# KiCad board TKLTheSecond.kicad_pcb (continued)
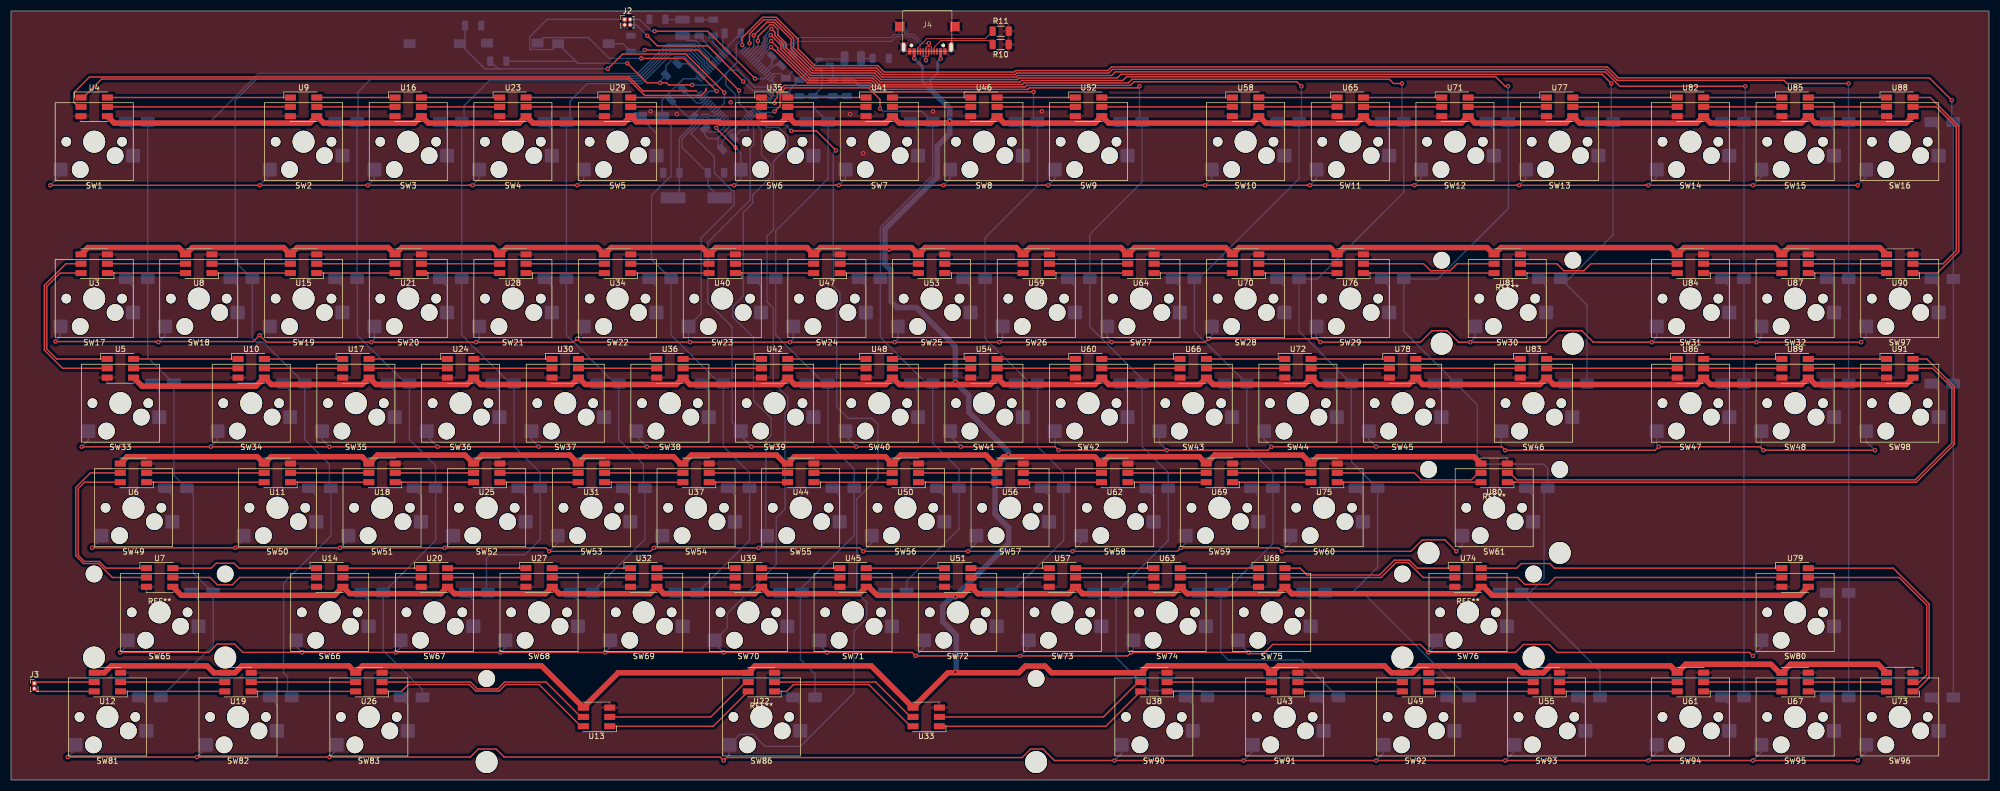
[diagram p0: board, top side]
## Nets
+3V3: C4.1 C5.1 C6.1 C9.1 C11.1 C13.1 C14.1 D62.2 J2.1 R7.1 SW62.1 U1.1 U1.19 U1.32 U1.48 U1.64 U2.2
+5V: C8.1 C10.1 J4.A4B9 J4.A9B9 U2.3 U3.4 U4.4 U5.4 U6.4 U7.4 U8.4 U9.4 U10.4 U11.4 U12.4 U13.4 U14.4 U15.4 U16.4 U17.4 U18.4 U19.4 U20.4 U21.4 U22.4 U23.4 U24.4 U25.4 U26.4 U27.4 U28.4 U29.4 U30.4 U31.4 U32.4 U33.4 U34.4 U35.4 U36.4 U37.4 U38.4 U39.4 U40.4 U41.4 U42.4 U43.4 U44.4 U45.4 U46.4 U47.4 U48.4 U49.4 U50.4 U51.4 U52.4 U53.4 U54.4 U55.4 U56.4 U57.4 U58.4 U59.4 U60.4 U61.4 U62.4 U63.4 U64.4 U65.4 U66.4 U67.4 U68.4 U69.4 U70.4 U71.4 U72.4 U73.4 U74.4 U75.4 U76.4 U77.4 U78.4 U79.4 U80.4 U81.4 U82.4 U83.4 U84.4 U85.4 U86.4 U87.4 U88.4 U89.4 U90.4 U91.4
GND: C1.1 C2.1 C3.1 C4.2 C5.2 C6.2 C7.2 C8.2 C9.2 C10.2 C11.2 C12.2 C13.2 C14.2 J2.3 J4.A1B12 J4.A12B12 J4.Shield J4.Shield0 J4.Shield1 R5.2 R6.1 R8.1 R9.1 R10.1 R11.2 SW63.2 SW64.2 U1.12 U1.18 U1.31 U1.47 U1.63 U2.1 U3.3 U4.3 U5.3 U6.3 U7.3 U8.3 U9.3 U10.3 U11.3 U12.3 U13.3 U14.3 U15.3 U16.3 U17.3 U18.3 U19.3 U20.3 U21.3 U22.3 U23.3 U24.3 U25.3 U26.3 U27.3 U28.3 U29.3 U30.3 U31.3 U32.3 U33.3 U34.3 U35.3 U36.3 U37.3 U38.3 U39.3 U40.3 U41.3 U42.3 U43.3 U44.3 U45.3 U46.3 U47.3 U48.3 U49.3 U50.3 U51.3 U52.3 U53.3 U54.3 U55.3 U56.3 U57.3 U58.3 U59.3 U60.3 U61.3 U62.3 U63.3 U64.3 U65.3 U66.3 U67.3 U68.3 U69.3 U70.3 U71.3 U72.3 U73.3 U74.3 U75.3 U76.3 U77.3 U78.3 U79.3 U80.3 U81.3 U82.3 U83.3 U84.3 U85.3 U86.3 U87.3 U88.3 U89.3 U90.3 U91.3
/MCU_BOOT1: R5.1 U1.28
/MCU_DM: R4.1 U1.44
/MCU_DP: R3.1 U1.45
/MCU_VCAP1: C3.2 U1.30
BOOT0: R6.2 SW62.2 U1.60
CIN: U1.16 U4.2
COL1: D1.1 D17.1 D33.1 D49.1 D65.1 D81.1 U1.24
COL2: D18.1 D34.1 D50.1 D82.1 U1.23
COL3: D2.1 D19.1 D35.1 D51.1 D66.1 D83.1 U1.22
COL4: D3.1 D20.1 D36.1 D52.1 D67.1 U1.21
COL5: D4.1 D21.1 D37.1 D53.1 D68.1 U1.20
COL6: D5.1 D22.1 D38.1 D54.1 D69.1 U1.17
COL7: D6.1 D23.1 D39.1 D55.1 D70.1 D86.1 U1.54
COL8: D7.1 D24.1 D40.1 D56.1 D71.1 U1.57
COL9: D8.1 D25.1 D41.1 D57.1 D72.1 U1.52
COL10: D9.1 D26.1 D42.1 D58.1 D73.1 D90.1 U1.40
COL11: D10.1 D27.1 D43.1 D59.1 D74.1 D91.1 U1.39
COL12: D11.1 D28.1 D44.1 D60.1 D75.1 D92.1 U1.38
COL13: D12.1 D29.1 D45.1 D61.1 D76.1 D93.1 U1.37
COL14: D13.1 D30.1 D46.1 U1.36
COL15: D14.1 D31.1 D47.1 D94.1 U1.35
COL16: D15.1 D32.1 D48.1 D80.1 D95.1 U1.34
COL17: D16.1 D96.1 D97.1 D98.1 U1.33
COUT: J3.1 U12.5
D+: J4.A6 J4.B6 R3.2
D-: J4.A7 J4.B7 R4.2
DIN: U1.15 U4.1
DOUT: J3.2 U12.6
NRST: C12.1 R7.2 SW63.1 U1.7
ROW1: SW1.1 SW2.1 SW3.1 SW4.1 SW5.1 SW6.1 SW7.1 SW8.1 SW9.1 SW10.1 SW11.1 SW12.1 SW13.1 SW14.1 SW15.1 SW16.1 U1.3
ROW2: SW17.1 SW18.1 SW19.1 SW20.1 SW21.1 SW22.1 SW23.1 SW24.1 SW25.1 SW26.1 SW27.1 SW28.1 SW29.1 SW30.1 SW31.1 SW32.1 SW97.1 U1.4
ROW3: SW33.1 SW34.1 SW35.1 SW36.1 SW37.1 SW38.1 SW39.1 SW40.1 SW41.1 SW42.1 SW43.1 SW44.1 SW45.1 SW46.1 SW47.1 SW48.1 SW98.1 U1.62
ROW4: SW49.1 SW50.1 SW51.1 SW52.1 SW53.1 SW54.1 SW55.1 SW56.1 SW57.1 SW58.1 SW59.1 SW60.1 SW61.1 U1.61
ROW5: SW65.1 SW66.1 SW67.1 SW68.1 SW69.1 SW70.1 SW71.1 SW72.1 SW73.1 SW74.1 SW75.1 SW76.1 SW80.1 U1.59
ROW6: SW81.1 SW82.1 SW83.1 SW86.1 SW90.1 SW91.1 SW92.1 SW93.1 SW94.1 SW95.1 SW96.1 U1.58
SWCLK: J2.4 U1.49
SWDIO: J2.2 U1.46
Net-(D1-A): D1.2 SW1.2
Net-(D2-A): D2.2 SW2.2
Net-(D3-A): D3.2 SW3.2
Net-(D4-A): D4.2 SW4.2
Net-(D5-A): D5.2 SW5.2
Net-(D6-A): D6.2 SW6.2
Net-(D7-A): D7.2 SW7.2
Net-(D8-A): D8.2 SW8.2
Net-(D9-A): D9.2 SW9.2
Net-(D10-A): D10.2 SW10.2
Net-(D11-A): D11.2 SW11.2
Net-(D12-A): D12.2 SW12.2
Net-(D13-A): D13.2 SW13.2
Net-(D14-A): D14.2 SW14.2
Net-(D15-A): D15.2 SW15.2
Net-(D16-A): D16.2 SW16.2
Net-(D17-A): D17.2 SW17.2
Net-(D18-A): D18.2 SW18.2
Net-(D19-A): D19.2 SW19.2
Net-(D20-A): D20.2 SW20.2
Net-(D21-A): D21.2 SW21.2
Net-(D22-A): D22.2 SW22.2
Net-(D23-A): D23.2 SW23.2
Net-(D24-A): D24.2 SW24.2
Net-(D25-A): D25.2 SW25.2
Net-(D26-A): D26.2 SW26.2
Net-(D27-A): D27.2 SW27.2
Net-(D28-A): D28.2 SW28.2
Net-(D29-A): D29.2 SW29.2
Net-(D30-A): D30.2 SW30.2
Net-(D31-A): D31.2 SW31.2
Net-(D32-A): D32.2 SW32.2
Net-(D33-A): D33.2 SW33.2
Net-(D34-A): D34.2 SW34.2
Net-(D35-A): D35.2 SW35.2
Net-(D36-A): D36.2 SW36.2
Net-(D37-A): D37.2 SW37.2
Net-(D38-A): D38.2 SW38.2
Net-(D39-A): D39.2 SW39.2
Net-(D40-A): D40.2 SW40.2
Net-(D41-A): D41.2 SW41.2
Net-(D42-A): D42.2 SW42.2
Net-(D43-A): D43.2 SW43.2
Net-(D44-A): D44.2 SW44.2
Net-(D45-A): D45.2 SW45.2
Net-(D46-A): D46.2 SW46.2
Net-(D47-A): D47.2 SW47.2
Net-(D48-A): D48.2 SW48.2
Net-(D49-A): D49.2 SW49.2
Net-(D50-A): D50.2 SW50.2
Net-(D51-A): D51.2 SW51.2
Net-(D52-A): D52.2 SW52.2
Net-(D53-A): D53.2 SW53.2
Net-(D54-A): D54.2 SW54.2
Net-(D55-A): D55.2 SW55.2
Net-(D56-A): D56.2 SW56.2
Net-(D57-A): D57.2 SW57.2
Net-(D58-A): D58.2 SW58.2
Net-(D59-A): D59.2 SW59.2
Net-(D60-A): D60.2 SW60.2
Net-(D61-A): D61.2 SW61.2
Net-(D62-K): D62.1 R8.2
Net-(D63-A): D63.2 U1.26
Net-(D63-K): D63.1 R9.2
Net-(D65-A): D65.2 SW65.2
Net-(D66-A): D66.2 SW66.2
Net-(D67-A): D67.2 SW67.2
Net-(D68-A): D68.2 SW68.2
Net-(D69-A): D69.2 SW69.2
Net-(D70-A): D70.2 SW70.2
Net-(D71-A): D71.2 SW71.2
Net-(D72-A): D72.2 SW72.2
Net-(D73-A): D73.2 SW73.2
Net-(D74-A): D74.2 SW74.2
Net-(D75-A): D75.2 SW75.2
Net-(D76-A): D76.2 SW76.2
Net-(D80-A): D80.2 SW80.2
Net-(D81-A): D81.2 SW81.2
Net-(D82-A): D82.2 SW82.2
Net-(D83-A): D83.2 SW83.2
Net-(D86-A): D86.2 SW86.2
Net-(D90-A): D90.2 SW90.2
Net-(D91-A): D91.2 SW91.2
Net-(D92-A): D92.2 SW92.2
Net-(D93-A): D93.2 SW93.2
Net-(D94-A): D94.2 SW94.2
Net-(D95-A): D95.2 SW95.2
Net-(D96-A): D96.2 SW96.2
Net-(D97-A): D97.2 SW97.2
Net-(D98-A): D98.2 SW98.2
Net-(J4-CC1): J4.A5 R10.2
Net-(J4-CC2): J4.B5 R11.1
Net-(U1-PA0): SW64.1 U1.14
Net-(U1-PH0): C1.2 U1.5 Y1.2
Net-(U1-PH1): C2.2 U1.6 Y1.1
Net-(U1-VREF+): C7.1 U1.13
Net-(U3-CI): U3.2 U8.5
Net-(U3-CO): U3.5 U5.2
Net-(U3-DI): U3.1 U8.6
Net-(U3-DO): U3.6 U5.1
Net-(U4-CO): U4.5 U9.2
Net-(U4-DO): U4.6 U9.1
Net-(U6-CO): U6.5 U7.2
Net-(U6-DO): U6.6 U7.1
Net-(U10-CI): U5.5 U10.2
Net-(U10-CO): U10.5 U17.2
Net-(U10-DI): U5.6 U10.1
Net-(U10-DO): U10.6 U17.1
Net-(U11-CI): U11.2 U18.5
Net-(U11-CO): U6.2 U11.5
Net-(U11-DI): U11.1 U18.6
Net-(U11-DO): U6.1 U11.6
Net-(U12-CI): U12.2 U19.5
Net-(U12-DI): U12.1 U19.6
Net-(U13-CI): U13.2 U22.5
Net-(U13-CO): U13.5 U26.2
Net-(U13-DI): U13.1 U22.6
Net-(U13-DO): U13.6 U26.1
Net-(U14-CI): U7.5 U14.2
Net-(U14-CO): U14.5 U20.2
Net-(U14-DI): U7.6 U14.1
Net-(U14-DO): U14.6 U20.1
Net-(U15-CI): U15.2 U21.5
Net-(U15-CO): U8.2 U15.5
Net-(U15-DI): U15.1 U21.6
Net-(U15-DO): U8.1 U15.6
Net-(U16-CI): U9.5 U16.2
Net-(U16-CO): U16.5 U23.2
Net-(U16-DI): U9.6 U16.1
Net-(U16-DO): U16.6 U23.1
Net-(U17-CO): U17.5 U24.2
Net-(U17-DO): U17.6 U24.1
Net-(U18-CI): U18.2 U25.5
Net-(U18-DI): U18.1 U25.6
Net-(U19-CI): U19.2 U26.5
Net-(U19-DI): U19.1 U26.6
Net-(U20-CO): U20.5 U27.2
Net-(U20-DO): U20.6 U27.1
Net-(U21-CI): U21.2 U28.5
Net-(U21-DI): U21.1 U28.6
Net-(U22-CI): U22.2 U33.5
Net-(U22-DI): U22.1 U33.6
Net-(U23-CO): U23.5 U29.2
Net-(U23-DO): U23.6 U29.1
Net-(U24-CO): U24.5 U30.2
Net-(U24-DO): U24.6 U30.1
Net-(U25-CI): U25.2 U31.5
Net-(U25-DI): U25.1 U31.6
Net-(U27-CO): U27.5 U32.2
Net-(U27-DO): U27.6 U32.1
Net-(U28-CI): U28.2 U34.5
Net-(U28-DI): U28.1 U34.6
Net-(U29-CO): U29.5 U35.2
Net-(U29-DO): U29.6 U35.1
Net-(U30-CO): U30.5 U36.2
Net-(U30-DO): U30.6 U36.1
Net-(U31-CI): U31.2 U37.5
Net-(U31-DI): U31.1 U37.6
Net-(U32-CO): U32.5 U39.2
Net-(U32-DO): U32.6 U39.1
Net-(U33-CI): U33.2 U38.5
Net-(U33-DI): U33.1 U38.6
Net-(U34-CI): U34.2 U40.5
Net-(U34-DI): U34.1 U40.6
Net-(U35-CO): U35.5 U41.2
Net-(U35-DO): U35.6 U41.1
Net-(U36-CO): U36.5 U42.2
Net-(U36-DO): U36.6 U42.1
Net-(U37-CI): U37.2 U44.5
Net-(U37-DI): U37.1 U44.6
Net-(U38-CI): U38.2 U43.5
Net-(U38-DI): U38.1 U43.6
Net-(U39-CO): U39.5 U45.2
Net-(U39-DO): U39.6 U45.1
Net-(U40-CI): U40.2 U47.5
Net-(U40-DI): U40.1 U47.6
Net-(U41-CO): U41.5 U46.2
Net-(U41-DO): U41.6 U46.1
Net-(U42-CO): U42.5 U48.2
Net-(U42-DO): U42.6 U48.1
Net-(U43-CI): U43.2 U49.5
Net-(U43-DI): U43.1 U49.6
Net-(U44-CI): U44.2 U50.5
Net-(U44-DI): U44.1 U50.6
Net-(U45-CO): U45.5 U51.2
Net-(U45-DO): U45.6 U51.1
Net-(U46-CO): U46.5 U52.2
Net-(U46-DO): U46.6 U52.1
Net-(U47-CI): U47.2 U53.5
Net-(U47-DI): U47.1 U53.6
Net-(U48-CO): U48.5 U54.2
Net-(U48-DO): U48.6 U54.1
Net-(U49-CI): U49.2 U55.5
Net-(U49-DI): U49.1 U55.6
Net-(U50-CI): U50.2 U56.5
Net-(U50-DI): U50.1 U56.6
Net-(U51-CO): U51.5 U57.2
Net-(U51-DO): U51.6 U57.1
Net-(U52-CO): U52.5 U58.2
Net-(U52-DO): U52.6 U58.1
Net-(U53-CI): U53.2 U59.5
Net-(U53-DI): U53.1 U59.6
Net-(U54-CO): U54.5 U60.2
Net-(U54-DO): U54.6 U60.1
Net-(U55-CI): U55.2 U61.5
Net-(U55-DI): U55.1 U61.6
Net-(U56-CI): U56.2 U62.5
Net-(U56-DI): U56.1 U62.6
Net-(U57-CO): U57.5 U63.2
Net-(U57-DO): U57.6 U63.1
Net-(U58-CO): U58.5 U65.2
Net-(U58-DO): U58.6 U65.1
Net-(U59-CI): U59.2 U64.5
Net-(U59-DI): U59.1 U64.6
Net-(U60-CO): U60.5 U66.2
Net-(U60-DO): U60.6 U66.1
Net-(U61-CI): U61.2 U67.5
Net-(U61-DI): U61.1 U67.6
Net-(U62-CI): U62.2 U69.5
Net-(U62-DI): U62.1 U69.6
Net-(U63-CO): U63.5 U68.2
Net-(U63-DO): U63.6 U68.1
Net-(U64-CI): U64.2 U70.5
Net-(U64-DI): U64.1 U70.6
Net-(U65-CO): U65.5 U71.2
Net-(U65-DO): U65.6 U71.1
Net-(U66-CO): U66.5 U72.2
Net-(U66-DO): U66.6 U72.1
Net-(U67-CI): U67.2 U73.5
Net-(U67-DI): U67.1 U73.6
Net-(U68-CO): U68.5 U74.2
Net-(U68-DO): U68.6 U74.1
Net-(U69-CI): U69.2 U75.5
Net-(U69-DI): U69.1 U75.6
Net-(U70-CI): U70.2 U76.5
Net-(U70-DI): U70.1 U76.6
Net-(U71-CO): U71.5 U77.2
Net-(U71-DO): U71.6 U77.1
Net-(U72-CO): U72.5 U78.2
Net-(U72-DO): U72.6 U78.1
Net-(U73-CI): U73.2 U79.5
Net-(U73-DI): U73.1 U79.6
Net-(U74-CO): U74.5 U79.2
Net-(U74-DO): U74.6 U79.1
Net-(U75-CI): U75.2 U80.5
Net-(U75-DI): U75.1 U80.6
Net-(U76-CI): U76.2 U81.5
Net-(U76-DI): U76.1 U81.6
Net-(U77-CO): U77.5 U82.2
Net-(U77-DO): U77.6 U82.1
Net-(U78-CO): U78.5 U83.2
Net-(U78-DO): U78.6 U83.1
Net-(U80-CI): U80.2 U91.5
Net-(U80-DI): U80.1 U91.6
Net-(U81-CI): U81.2 U84.5
Net-(U81-DI): U81.1 U84.6
Net-(U82-CO): U82.5 U85.2
Net-(U82-DO): U82.6 U85.1
Net-(U83-CO): U83.5 U86.2
Net-(U83-DO): U83.6 U86.1
Net-(U84-CI): U84.2 U87.5
Net-(U84-DI): U84.1 U87.6
Net-(U85-CO): U85.5 U88.2
Net-(U85-DO): U85.6 U88.1
Net-(U86-CO): U86.5 U89.2
Net-(U86-DO): U86.6 U89.1
Net-(U87-CI): U87.2 U90.5
Net-(U87-DI): U87.1 U90.6
Net-(U88-CO): U88.5 U90.2
Net-(U88-DO): U88.6 U90.1
Net-(U89-CO): U89.5 U91.2
Net-(U89-DO): U89.6 U91.1

Pads without a net: J4 A8 B8; U1 2 8 9 10 11 25 27 29 41 42 43 50 51 53 55 56

## Via types
v1: diameter 0.8, hole 0.4, Top to Bottom, 142 vias
v2: diameter 0.406, hole 0.203, Top to Bottom, 2 vias

## Routing (per net, layer and track width the routed paths; a pad name or vN(x,y) marks a point on that pad's centre or on a via; arc(x,y) is an arc through that point)
+3V3: length 163.1
  Top w0.25: v1(112.18,130.56) 115.74,127 119.29,127 119.67,126.62 v1(123.99,126.62)
  Bottom w0.25: C5.1 139.82,124.89 138.47,126.24 135.31,126.24 132.2,129.35 130.79,129.35 ; C5.1 142.09,125.97 142.09,126.13 C11.1 ; C5.1 138.53,127.37 U1.48 ; C11.1 C9.1 ; C11.1 147.11,131.15 ; 122.81,131.53 122.59,131.76 120.85,131.76 119.23,130.13 C14.1 118.15,127.32 v1(118.15,127) ; 122.81,131.53 122.56,131.78 ; 122.81,131.53 U1.19 ; U1.1 128.87,118.07 126.96,118.07 C13.1 126.31,117.45 126.91,116.84 128.69,116.84 ; 130.03,128.59 130.09,128.52 130.09,126.62 131.87,124.84 131.87,120.14 128.69,116.97 128.69,116.84 ; 130.03,128.59 128.06,126.62 v1(123.99,126.62) ; 130.03,128.59 130.79,129.35 ; 103.15,130.56 SW62.1 98.54,133.06 94.45,133.06 94.4,133.11 94.4,135.36 97.59,138.55 J2.1 ; 103.15,130.56 102.77,130.94 R7.1 ; 103.15,130.56 v1(112.18,130.56) ; 128.69,116.84 128.69,115.64 C4.1 129.43,116.3 130.09,116.97 130.09,117.3 131.05,118.26 131.36,118.26 132.8,119.7 U1.64 ; U1.32 130.51,133.69 C6.1 132.83,134.71 132.25,134.12 132.25,134.11 131.99,133.86 131.99,131.19 132.31,130.87 130.79,129.35 ; U2.2 151.58,131.31
+5V: length 2119.6
  Top w0.25: v1(159.84,96.65) 159.87,96.62 ; 237.46,58.52 U75.4 ; v1(171.87,72.52) 171.97,72.42 ; v1(170.86,120.03) 170.87,120.04
  Top w0.5: v1(169.18,131.4) J4.A4B9 ; J4.A9B9 v1(164.38,131.44)
  Top w1: U5.4 23.86,71.74 44.57,71.74 U10.4 47.37,72.04 63.92,72.04 U17.4 66.42,72.04 82.97,72.04 U24.4 85.47,72.04 102.02,72.04 U30.4 104.52,72.04 121.07,72.04 U36.4 123.57,72.04 140.12,72.04 U42.4 142.62,72.04 159.17,72.04 U48.4 161.67,72.04 178.22,72.04 U54.4 180.72,72.04 197.27,72.04 U60.4 199.77,72.04 216.32,72.04 U66.4 218.82,72.04 235.37,72.04 U72.4 237.87,72.04 254.42,72.04 U78.4 256.92,72.04 278.23,72.04 U83.4 280.73,72.04 306.81,72.04 U86.4 309.31,72.04 325.86,72.04 U89.4 328.36,72.04 344.91,72.04 U91.4 ; 321.86,19.54 320.31,21.09 304.81,21.09 U61.4 302.01,20.79 ; U6.4 21.14,58.89 44.83,58.89 U11.4 47.33,58.89 63.88,58.89 U18.4 66.68,59.19 82.63,59.19 U25.4 85.73,59.19 101.68,59.19 U31.4 104.49,58.9 120.58,58.9 121.83,57.64 ; U67.4 323.86,21.09 339.81,21.09 U73.4 ; 140.88,57.64 139.33,59.19 123.83,59.19 U37.4 ; U3.4 14,96.99 30.53,96.99 U8.4 33.03,96.99 49.6,96.99 U15.4 52.1,96.99 68.65,96.99 U21.4 71.15,96.99 87.7,96.99 U28.4 90.2,96.99 106.75,96.99 U34.4 109.25,96.99 125.8,96.99 U40.4 128.3,96.99 144.85,96.99 U47.4 147.35,96.99 163.9,96.99 U53.4 166.4,96.99 182.95,96.99 U59.4 185.45,96.99 202,96.99 U64.4 204.5,96.99 221.05,96.99 U70.4 223.55,96.99 240.1,96.99 U76.4 242.6,96.99 268.67,96.99 U81.4 271.17,96.99 302.01,96.99 U84.4 304.51,96.99 321.06,96.99 U87.4 323.56,96.99 340.11,96.99 U90.4 ; U88.4 344.91,119.67 328.36,119.67 U85.4 325.86,119.67 309.31,119.67 U82.4 306.81,119.67 285.5,119.67 U77.4 283,119.67 266.45,119.67 U71.4 263.95,119.67 247.4,119.67 U65.4 244.9,119.67 228.35,119.67 U58.4 225.85,119.67 199.77,119.67 U52.4 197.27,119.67 180.72,119.67 U46.4 178.22,119.67 161.67,119.67 U41.4 159.17,119.67 142.62,119.67 U35.4 140.12,119.67 129.06,119.67 128.83,119.89 113.82,119.89 U29.4 111.55,119.67 95,119.67 U23.4 92.5,119.67 75.95,119.67 U16.4 73.45,119.67 56.9,119.67 U9.4 54.4,119.67 18.8,119.67 U4.4 ; 268.03,35.19 269.58,33.64 325.56,33.64 U79.4 ; 156.11,35.19 157.66,33.64 173.16,33.64 U51.4 175.96,33.94 192.51,33.94 U57.4 195.01,33.94 211.56,33.94 U63.4 214.06,33.94 230.61,33.94 U68.4 233.11,33.94 266.33,33.94 U74.4 ; U56.4 180.68,58.89 197.23,58.89 U62.4 199.73,58.89 216.28,58.89 U69.4 219.08,59.19 235.03,59.19 U75.4 237.83,58.89 266.29,58.89 U80.4 ; 302.47,20.33 302.01,20.79 280.14,20.79 278.89,19.54 U55.4 275.04,19.54 273.79,20.79 256.33,20.79 255.08,19.54 U49.4 251.23,19.54 249.98,20.79 230.67,20.79 U43.4 228.17,20.79 206.86,20.79 U38.4 189.4,19.54 188.18,20.76 184.62,20.76 183.4,19.54 170.52,19.54 U33.4 156.57,20.79 135.42,20.79 U22.4 110.52,19.54 U13.4 96.57,20.79 63.98,20.79 U26.4 61.48,20.79 42.02,20.79 40.77,19.54 U19.4 36.92,19.54 35.67,20.79 18.25,20.79 16.99,19.54 U12.4 ; 178.98,57.64 177.43,59.19 161.93,59.19 U50.4 159.13,58.89 142.58,58.89 U44.4 ; U45.4 154.41,33.94 137.86,33.94 U39.4 135.36,33.94 118.81,33.94 U32.4 116.31,33.94 99.76,33.94 U27.4 97.26,33.94 80.71,33.94 U20.4 78.21,33.94 61.66,33.94 U14.4 58.86,33.64 31,33.64 U7.4
  Bottom w0.25: U2.3 149.57,129.78 C10.1 C8.1 ; v1(171.87,33.4) 171.81,33.4
  Bottom w0.5: v1(169.18,131.4) 168.66,130.88 168.66,128.79 167.3,127.43 167.3,125.86 166.73,126.43 ; 166.73,126.43 154.46,126.43 153.37,127.52 C8.1 ; 166.73,126.43 165.87,127.28 165.87,129.95 v1(164.38,131.44) ; 168.89,124.4 168.76,124.4
  Bottom w1: v1(171.87,19.68) 172.05,19.86 172.05,26.41 169.55,28.9 169.55,31.68 171.27,33.4 v1(171.87,33.4) 181.57,43.1 181.57,45.96 179.08,48.45 179.08,56.86 v1(181.52,59.31) 181.52,59.82 174.32,67.02 174.32,70.07 v1(171.87,72.52) 171.87,78.97 164.78,86.06 161.3,86.06 160.19,87.17 160.19,92.83 159.06,93.95 159.06,100.32 168.59,109.85 168.59,115.46 170.86,117.73 v1(170.86,120.03) 170.86,122.3 167.3,125.86 167.3,126.36
GND: length 44.4
  Bottom w0.25: C7.2 123.15,120.8 C13.2 ; U1.47 138.77,128.68 140.17,128.68 C5.2 142.13,128.96 142.13,129.06 ; C9.2 147.61,126.17 147.61,128.9 U2.1 ; C9.2 C8.2 ; C9.2 C11.2 ; C14.2 123.15,130.49 U1.18 ; C4.2 132.84,118.32 134.18,118.32 134.18,119.46 U1.63 ; 124.22,121.19 U1.12 ; U1.31 129.56,133.27 129.56,135.69 ; C3.1 125.28,138.51
  vias: v1(116.42,121.83) v1(121.2,121.28) v1(152.69,121.28) v1(155.11,114.17) v1(167.81,121.79) v1(187.62,121.79)
(no net):
  vias: v1(130.98,123.44)
/MCU_BOOT1: length 5.4
  Bottom w0.25: 125.26,135.44 U1.28
/MCU_DM: length 3.3
  Bottom w0.25: U1.44 138.45,130.47 R4.1
/MCU_DP: length 3.3
  Bottom w0.25: U1.45 138.85,130.17 R3.1
/MCU_VCAP1: length 4.1
  Bottom w0.25: U1.30 127.8,134.32 C3.2
BOOT0: length 32.9
  Top w0.25: v1(115.36,132.97) 125.14,132.97 v1(132.5,125.6)
  Bottom w0.25: SW62.2 111.35,134.11 R6.2 115.04,132.65 v1(115.36,132.97) ; v1(132.5,125.6) 132.5,123.25 U1.60
CIN: length 119.2
  Top w0.25: v2(124.65,125.53) 115.03,125.53 112.49,128.06 14.29,128.06 11.42,125.19 11.42,123.44 12.24,122.62
  Bottom w0.25: v2(124.65,125.53) 124.68,125.53 U1.16
COL1: length 224.3
  Bottom w0.25: U1.24 127.07,130.81 127.07,131.52 124.55,134.04 119.4,134.04 114.05,128.69 45.04,128.69 36.19,119.84 D1.1 D17.1 24.88,76.98 D33.1 29.65,55.55 D49.1 33.19,52 33.19,37.72 D65.1 36.79,24.59 D81.1
COL2: length 212
  Bottom w0.25: 50.33,15.81 50.33,18.8 49.61,19.52 49.61,35.85 58.22,44.46 D50.1 ; 57.95,53.43 57.95,57.53 53.46,62.02 D34.1 45.92,79.76 44.62,79.76 43.93,80.44 D18.1 40.81,94.39 40.81,123.82 45.23,128.24 114.24,128.24 119.58,133.59 124.29,133.59 126.62,131.26 126.62,130.55 U1.23
COL3: length 191.5
  Bottom w0.25: U1.22 126.17,130.3 126.17,131.01 124.04,133.14 119.77,133.14 114.41,127.77 65.59,127.77 63.16,125.35 63.16,120.01 ; D2.1 D19.1 ; D83.1 74.89,16.46 67.75,23.61 D66.1 77.27,43.64 D51.1 77.27,57.26 72.51,62.02 D35.1 ; 63.03,91.22 63.03,81.03 71.84,72.21
COL4: length 151.5
  Bottom w0.25: 90.89,72.21 82.03,81.07 D20.1 D3.1 ; U1.21 125.71,130.04 125.71,130.75 123.78,132.68 119.96,132.68 114.6,127.32 86.98,127.32 82.46,122.81 82.46,120.27 ; 86.53,34.38 86.53,40.39 87.16,41.02 93.51,41.02 96.32,43.83 D52.1 96.32,55.99 91.56,60.75 D36.1
COL5: length 127.8
  Bottom w0.25: 109.94,72.21 101.08,81.07 D21.1 D4.1 ; D37.1 110.61,62.02 115.1,57.53 115.1,53.43 ; 105.85,34.3 115.37,43.83 D53.1 ; U1.20 125.26,129.79 125.26,130.49 123.52,132.23 120.14,132.23 114.78,126.87 104.94,126.87 101.77,123.7 101.77,120.52
COL6: length 111.3
  Bottom w0.25: D69.1 134.42,43.64 D54.1 134.42,55.99 129.66,60.75 D38.1 ; 128.99,72.21 120.13,81.07 D22.1 116.58,94.82 116.58,106.5 120.13,110.06 120.13,119.14 D5.1 118.5,123.87 122.35,127.73 U1.17
COL7: length 132.5
  Bottom w0.25: 148.04,72.21 139.19,81.07 D23.1 139.19,100.03 148.71,109.55 D6.1 146.03,122.52 137.48,122.52 U1.54 ; 143.68,33.84 143.68,21.97 146.33,19.32 D86.1 ; D70.1 143.95,35.05 153.47,44.58 D55.1 153.47,56.63 148.71,61.39 D39.1
COL8: length 138.2
  Top w0.25: v1(138.98,121.79) 139.99,122.81 139.99,125.14 140.92,126.07 156.07,126.07 158.16,123.98 v1(158.16,122.3)
  Bottom w0.25: D71.1 163,36.21 172.52,45.73 D56.1 172.52,56.63 167.76,61.39 D40.1 ; 166.66,72.21 158.24,80.64 D24.1 158.24,100.66 167.76,110.19 D7.1 165.81,121.79 158.66,121.79 v1(158.16,122.3) ; v1(138.98,121.79) 138.76,121.58 136.3,121.58 U1.57
COL9: length 156.6
  Top w0.25: v1(138.98,123.32) 138.98,123.82 139.49,124.33 139.49,125.27 140.74,126.52 156.25,126.52 156.52,126.26 156.52,126.26 157.43,125.35 v1(186.1,125.35)
  Bottom w0.25: v1(186.1,125.35) 186.1,120.55 ; D72.1 191.57,43.64 D57.1 191.57,55.99 186.81,60.75 D41.1 185.51,72.21 177.29,80.44 D25.1 177.29,98.76 186.81,108.28 D8.1 ; U1.52 138.1,123.32 v1(138.98,123.32)
COL10: length 211.8
  Top w0.25: 185.17,125.89 185.35,126.07 205.11,126.07 v1(205.4,126.36) ; 185.17,125.89 185.08,125.8 157.62,125.8 156.44,126.98 144.97,126.98 139.04,132.9 ; 185.17,125.89 185.08,125.8 ; v1(138.32,133.5) 138.92,132.9 139.04,132.9 ; 139.04,132.9 138.98,132.97
  Bottom w0.25: U1.40 136.95,131.8 136.95,132.13 v1(138.32,133.5) ; D9.1 205.86,108.92 196.34,99.39 D26.1 196.34,82.6 205.86,73.07 D42.1 205.86,60.75 210.62,55.99 D58.1 210.62,43.64 D73.1 201.1,22.34 207.14,16.29 216.54,16.29 D90.1 ; v1(205.4,126.36) 205.4,120.3
COL11: length 250.6
  Top w0.25: v1(138.34,134.62) 139.55,133.41 139.55,133.03 145.16,127.43 156.63,127.43 157.8,126.25 184.57,126.25 184.85,126.52 203.72,126.52 204.38,127.19 234.04,127.19 v1(234.86,126.36)
  Bottom w0.25: D91.1 234.76,21.88 221.51,21.88 220.15,23.24 D74.1 ; v1(138.34,134.62) 137.59,133.87 137.59,133.41 136.5,132.31 136.5,131.98 136.06,131.55 135.99,131.55 U1.39 ; D10.1 234.44,109.55 216.15,91.26 ; 220.73,34.11 229.67,43.05 D59.1 229.67,55.99 224.91,60.75 D43.1 215.39,81.74 D27.1 ; 234.86,120.27 v1(234.86,126.36)
COL12: length 274.4
  Top w0.25: v1(138.28,135.7) 138.29,135.7 140.12,133.86 140.12,133.1 145.35,127.88 156.81,127.88 157.99,126.7 184.07,126.7 184.34,126.97 203.37,126.97 204.04,127.64 250.86,127.64 251.63,126.87 v1(253.15,126.87)
  Bottom w0.25: 265.13,15.06 246.08,34.11 D75.1 244.09,34.11 248.72,38.75 D60.1 244.01,57.88 244.01,60.71 243.96,60.75 D44.1 234.44,81.74 D28.1 237.74,91.26 253.49,107.01 D11.1 ; 253.15,120.17 v1(253.15,126.87) ; v1(138.28,135.7) 137.62,135.04 137.62,134.53 137.14,134.06 137.14,133.6 136.04,132.5 136.04,132.31 U1.38
COL13: length 294.5
  Top w0.25: v1(272.46,126.36) 271.95,126.36 270.22,128.09 203.02,128.09 202.35,127.42 183.95,127.42 183.68,127.15 158.18,127.15 157,128.33 145.53,128.33 140.58,133.28 140.58,134.05 139.05,135.58 139.05,136.2 v1(138.4,136.85)
  Bottom w0.25: v1(138.4,136.85) 137.52,135.96 137.52,135.57 137.17,135.22 137.17,134.72 136.69,134.24 136.69,133.79 135.59,132.69 135.59,132.57 U1.37 ; D93.1 289.2,19.83 D76.1 276.39,34.11 279.02,36.74 279.02,52.5 ; D61.1 279.68,56.78 278.93,57.53 268.14,57.53 266.87,58.8 266.87,68.36 D45.1 253.49,81.74 D29.1 259.66,91.26 272.54,104.14 D12.1 ; 272.46,119.92 v1(272.46,126.36)
COL14: length 227.7
  Top w0.25: v1(291.25,126.87) 289.58,128.54 202,128.54 201.34,127.87 183.44,127.87 183.17,127.6 158.36,127.6 157.19,128.78 145.72,128.78 141.03,133.47 141.03,134.24 139.56,135.71 139.56,136.72 138.7,137.57 138.1,137.57 135.93,135.4 v1(135.93,134.62)
  Bottom w0.25: v1(135.93,134.62) 135.93,133.66 135.14,132.87 135.14,132.82 U1.36 ; D46.1 286.82,86.5 D30.1 283.54,91.26 291.59,99.31 D13.1 ; 291.25,120.17 v1(291.25,126.87)
COL15: length 303
  Top w0.25: v1(135.17,135.63) 137.56,138.02 138.89,138.02 141.97,134.94 141.97,133.17 145.91,129.23 157.37,129.23 158.55,128.05 182.99,128.05 183.26,128.32 200.32,128.32 200.99,128.99 290.16,128.99 292.79,126.36 v1(315.64,126.36)
  Bottom w0.25: U1.35 135.17,133.56 v1(135.17,135.63) ; D94.1 D47.1 D31.1 D14.1 ; v1(315.64,126.36) 315.64,120.08
COL16: length 323.1
  Top w0.25: v1(334.43,126.87) 323.26,126.87 322.68,127.45 292.34,127.45 290.35,129.44 200.48,129.44 199.81,128.77 183.04,128.77 182.78,128.5 158.74,128.5 157.56,129.68 146.09,129.68 142.42,133.35 142.42,135.13 139.08,138.47 136.98,138.47 134.41,135.9 v1(134.41,134.24)
  Bottom w0.25: v1(134.41,134.24) 134.41,133.5 U1.34 ; v1(334.43,126.87) 334.43,119.86 ; D15.1 D32.1 D48.1 D80.1 D95.1
COL17: length 340.5
  Top w0.25: v1(133.07,133.92) 133.07,135.2 136.8,138.93 139.26,138.93 143.24,134.95 143.24,133.17 146.28,130.13 157.75,130.13 158.92,128.96 182.59,128.96 182.86,129.22 199.63,129.22 200.29,129.89 290.53,129.89 292.52,127.9 349.15,127.9 v1(353.23,123.82)
  Bottom w0.25: D96.1 D98.1 D97.1 D16.1 ; U1.33 133.23,133.77 v1(133.07,133.92) ; v1(353.23,123.82) 353.23,120.11
COUT: length 10.7
  Top w0.25: U12.5 4.44,17.84
D+: length 34.4
  Top w0.15: J4.B6 166.03,131.94 166.1,131.86 166.53,131.86 ; 166.53,131.86 166.95,131.86 167.03,131.94 J4.A6 ; 166.53,131.86 v1(166.53,131.1)
  Bottom w0.2: v1(166.53,131.1) 165.47,132.16 165.47,134.04 164.14,135.38 163.26,135.38 arc(162.82,135.56) 162.63,136 162.63,136.43 arc(162.58,136.55) 162.46,136.6 162.26,136.6 arc(162.13,136.55) 162.08,136.43 162.08,136 arc(161.9,135.56) 161.46,135.38 161.02,135.38 160.19,134.54 143.14,134.54 142.29,133.68 R3.2
D-: length 32.6
  Top w0.15: 167.03,133.56 167.45,133.56 167.53,133.49 J4.B7 ; 167.03,133.56 167.03,133.9 ; 167.03,133.56 166.7,133.56 166.53,133.4 J4.A7
  Bottom w0.2: R4.2 141.97,134 143.19,135.23 160.24,135.23 160.84,135.83 161.46,135.83 arc(161.58,135.88) 161.63,136 161.63,136.43 arc(161.82,136.87) 162.26,137.05 162.46,137.05 arc(162.9,136.87) 163.08,136.43 163.08,136 arc(163.13,135.88) 163.26,135.83 164.32,135.83 165.95,134.2 v1(167.03,134.2)
DIN: length 118.4
  Top w0.25: v2(126.51,125.91) 126.51,125.58 125.63,124.7 115.32,124.7 112.33,127.68 16.5,127.68 13.13,124.32
  Bottom w0.25: U1.15 126.51,125.6 v2(126.51,125.91)
DOUT: length 11.1
  Top w0.25: U12.6 4.73,16.14 J3.2
NRST: length 64.3
  Top w0.25: v1(129.83,125.22) 122.81,132.24 111.33,132.24 v1(108.63,129.54)
  Bottom w0.25: U1.7 129.83,123.27 v1(129.83,125.22) ; v1(108.63,129.54) 89.2,129.54 ; 89.2,129.54 86.29,129.54 SW63.1 82.64,135.03 C12.1 ; 89.2,129.54 88.62,129.54 R7.2
ROW1: length 402.1
  Top w0.25: 297.35,108.33 v1(297.98,108.33) ; 297.35,108.33 273.85,108.33 ; 297.35,108.33 316.4,108.33 ; 273.85,108.33 v1(274.49,108.33) ; 273.85,108.33 254.8,108.33 ; v1(7.15,108.33) v1(45.25,108.33) v1(64.94,108.33) 83.35,108.33 ; 187.49,108.33 216.7,108.33 ; 187.49,108.33 169.08,108.33 ; 187.49,108.33 v1(188.76,108.33) ; 216.7,108.33 v1(217.34,108.33) ; 216.7,108.33 235.75,108.33 ; v1(236.39,108.33) 235.75,108.33 ; 235.75,108.33 254.8,108.33 ; 316.4,108.33 v1(336.08,108.33) ; 316.4,108.33 v1(317.03,108.33) ; 150.03,108.33 169.08,108.33 ; 150.03,108.33 130.98,108.33 ; 150.03,108.33 v1(150.66,108.33) ; 169.08,108.33 v1(169.71,108.33) ; 83.35,108.33 101.77,108.33 ; 83.35,108.33 v1(83.99,108.33) ; 101.77,108.33 v1(103.04,108.33) ; 101.77,108.33 130.98,108.33 ; 130.98,108.33 v1(131.61,108.33) ; 254.8,108.33 v1(255.44,108.33) ; v1(131.87,115.19) 128.37,118.68 v1(128.37,118.79)
  Bottom w0.25: 9,110.18 v1(7.15,108.33) ; SW7.1 151.87,109.54 v1(150.66,108.33) ; v1(128.37,118.79) 128.37,118.98 U1.3 ; v1(103.04,108.33) 104.25,109.54 SW5.1 ; v1(297.98,108.33) 299.51,109.86 SW14.1 ; v1(336.08,108.33) 337.61,109.86 SW16.1 ; SW12.1 256.65,109.54 v1(255.44,108.33) ; v1(274.49,108.33) 275.7,109.54 SW13.1 ; SW10.1 218.55,109.54 v1(217.34,108.33) ; v1(131.61,108.33) 132.82,109.54 SW6.1 132.82,114.23 v1(131.87,115.19) ; 47.1,110.18 v1(45.25,108.33) ; v1(64.94,108.33) 66.15,109.54 SW3.1 ; SW15.1 318.56,109.86 v1(317.03,108.33) ; v1(169.71,108.33) 170.92,109.54 SW8.1 ; SW4.1 85.2,109.54 v1(83.99,108.33) ; v1(188.76,108.33) 189.97,109.54 SW9.1 ; v1(236.39,108.33) 237.6,109.54 SW11.1
ROW2: length 435.4
  Top w0.25: 85.26,79.76 102.4,79.76 v1(103.04,80.39) 103.67,79.76 v1(141.77,79.76) v1(160.82,79.76) v1(179.87,79.76) 217.34,79.76 v1(217.97,80.39) 237.66,80.39 v1(238.29,79.76) 256.53,79.76 258.62,81.84 261.37,81.84 263.41,79.79 263.41,79.76 v1(265.6,79.76) 279.36,79.76 281.45,81.84 285.89,81.84 287.98,79.76 v1(298.62,79.76) v1(317.67,79.76) v1(336.72,79.76) ; 85.26,79.76 v1(84.62,79.76) ; 85.26,79.76 v1(65.57,79.76) 46.52,79.76 v1(45.25,81.03) 44.09,79.87 26.2,79.87 ; 26.2,79.87 26.73,79.87 v1(26.84,79.76) ; 26.2,79.87 v1(8.1,79.87)
  Bottom w0.25: v1(45.25,81.03) 45.51,81.03 SW19.1 ; SW32.1 318.56,80.65 v1(317.67,79.76) ; SW24.1 142.35,80.33 v1(141.77,79.76) ; SW25.1 161.4,80.33 v1(160.82,79.76) ; U1.4 128.44,119.76 127.04,119.76 126.81,119.99 126,119.99 123.74,117.73 128.03,113.44 128.03,110.58 131.24,107.37 131.58,107.37 131.58,104.72 125.62,98.75 125.62,98.75 125.62,84.93 SW23.1 123.3,80.07 v1(123.61,79.76) ; v1(298.62,79.76) 299.51,80.65 SW31.1 ; v1(217.97,80.39) 218.55,80.97 SW28.1 ; v1(8.1,79.87) 9,80.97 SW17.1 ; 104.25,81.6 v1(103.04,80.39) ; SW26.1 180.45,80.33 v1(179.87,79.76) ; SW27.1 199.5,80.58 v1(200.32,79.76) ; SW97.1 337.61,80.65 v1(336.72,79.76) ; v1(65.57,79.76) 66.15,80.33 SW20.1 ; v1(265.6,79.76) 266.48,80.64 SW30.1 ; v1(84.62,79.76) 85.2,80.33 SW21.1 ; v1(238.29,79.76) 237.6,80.45 SW29.1 ; v1(26.84,79.76) 28.03,80.95 SW18.1
ROW3: length 447.6
  Top w0.25: v1(12.87,60.71) v1(36.36,60.71) v1(57.95,60.71) v1(77.64,60.71) v1(96.05,60.71) v1(115.74,60.71) v1(134.79,60.71) v1(153.84,60.71) v1(172.89,60.71) 190.03,60.71 v1(190.67,60.07) v1(210.35,60.07) 228.77,60.07 v1(229.4,60.71) v1(248.45,60.71) 271.31,60.71 v1(271.95,60.07) 299.25,60.07 v1(299.89,60.71) 318.3,60.71 v1(318.94,60.07) v1(339.26,60.07)
  Bottom w0.25: v1(190.67,60.07) 190.03,60.71 190.03,63.5 ; SW45.1 247.12,62.03 v1(248.45,60.71) ; 151.87,62.67 v1(153.84,60.71) ; 132.82,62.67 v1(134.79,60.71) ; v1(96.05,60.71) 94.72,62.03 SW37.1 ; 75.67,62.67 v1(77.64,60.71) ; v1(229.4,60.71) 228.07,62.03 SW44.1 ; SW47.1 299.51,61.08 v1(299.89,60.71) ; SW39.1 131.24,65.15 131.24,82.54 131.23,82.54 126.79,86.99 126.79,97.92 134.53,105.66 134.53,105.66 134.53,115.13 135.15,115.75 135.15,119.2 U1.62 ; v1(12.87,60.71) 14.07,61.9 SW33.1 ; SW46.1 271.24,60.78 v1(271.95,60.07) ; v1(339.26,60.07) 337.61,61.72 SW98.1 ; SW35.1 56.62,62.03 v1(57.95,60.71) ; SW43.1 209.02,61.4 v1(210.35,60.07) ; 170.92,62.67 v1(172.89,60.71) ; SW48.1 318.56,60.45 v1(318.94,60.07) ; v1(36.36,60.71) 37.57,61.92 SW34.1 ; 113.77,62.67 v1(115.74,60.71)
